# Allegro board 6089-119-RevA_41.brd (continued)
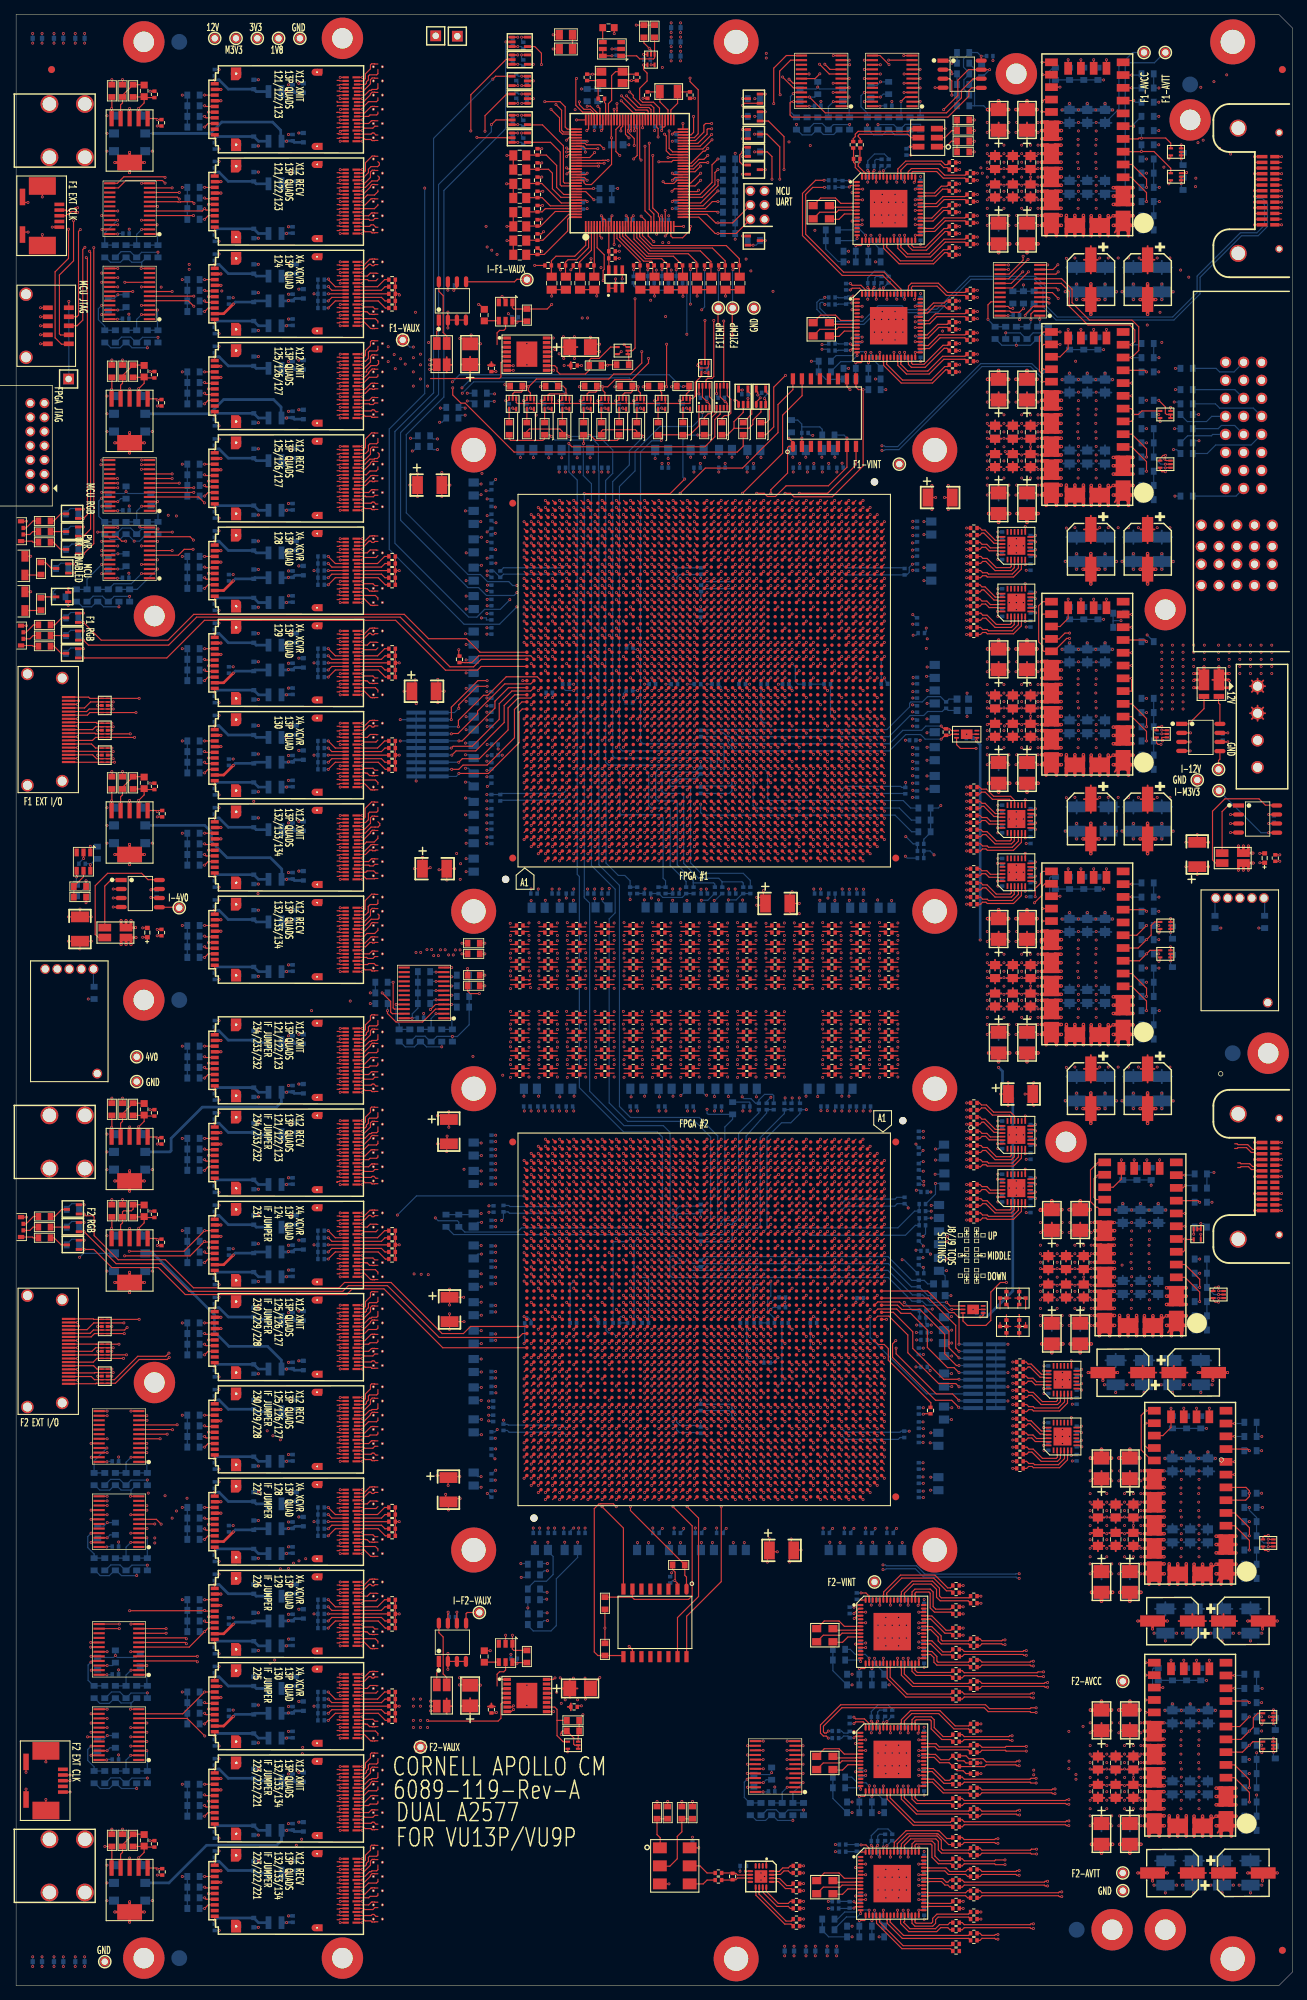
[diagram p0: board, top side]
## Routing (per net, layer and track width the routed paths; a pad name or vN(x,y) marks a point on that pad's centre or on a via; arc(x,y) is an arc through that point) (continued)
F1_TDI: length 71.2
  TOP w0.165: U75.AH13 v1(99.39,170.51) ; v1(90.95,217.75) 90.95,218.09 R124.2 R129.2 94.99,218.54 96.25,219.8 U76.1
  BOTTOM w0.165: v1(99.39,170.51) 99.8,170.92 99.8,174.83 99.64,175 88.35,175 88.02,175.33 88.02,216.12 89.6,217.7 90.9,217.7 v1(90.95,217.75)
F1_TDO: length 72.6
  TOP w0.165: U76.2 v1(96.75,221.7) ; U75.AG14 v1(98.39,171.51)
  BOTTOM w0.165: v1(98.39,171.51) 98.41,171.51 98.85,171.95 98.85,173.83 98.68,174 85.45,174 85.05,174.4 85.05,211.25 87.25,213.45 87.25,216.2 90.75,219.7 95.35,219.7 96.75,221.1 v1(96.75,221.7)
F1_TEMP_DIODE: length 105.4
  TOP w0.165: v1(135.32,174.35) 133.1,174.35 132.57,174.88 U94.3 ; PM14.1 98.95,236.35 v1(98.95,233.9) ; R133.1 v1(99.05,241.79)
  SIG1 w0.079: v1(130.6,233.15) 132.15,231.6 132.15,230.25 135.2,227.2 135.2,175.79 134.97,175.56 134.97,174.71 v1(135.32,174.35)
  SIG3 w0.079: v1(130.6,233.15) 126.75,233.15 126.5,233.4 99.45,233.4 v1(98.95,233.9)
  BOTTOM w0.165: v1(99.05,241.79) 99,241.74 PM14.1
F1_TMS: length 72
  TOP w0.165: v1(77.95,218.3) 77.71,218.54 R97.2 77,219 76.65,219.35 72.35,219.35 72,219 R83.2 ; U75.AE14 v1(95.61,171.51)
  BOTTOM w0.165: v1(95.61,171.51) 95.54,171.51 95.05,172 83.5,172 83.1,172.4 83.1,212.1 84.1,213.1 84.1,216.4 82.2,218.3 v1(77.95,218.3)
F1L_X4_R0_SEL: length 103.9
  TOP w0.165: U97.13 v1(142.25,197.56) ; U88.5 v1(127.43,267.43)
  PWR3 w0.152: v1(142.25,197.56) 146.15,201.46 146.15,224 154.5,232.35 154.5,246.75 156.05,248.3 156.05,263.7 153.3,266.45 136.55,266.45 136.05,266.95 127.91,266.95 v1(127.43,267.43)
F1L_X12_R0_SEL: length 97.2
  TOP w0.165: U96.13 v1(142.25,205.6) ; U88.4 v1(125.17,266.77)
  PWR3 w0.152: v1(142.25,205.6) 142.9,205.6 143.5,206.2 143.5,232.8 153.55,242.85 153.55,247.6 155.3,249.35 155.3,263.4 155.15,263.55 147.67,263.55 145.17,266.05 132.95,266.05 132.75,265.85 127.9,265.85 126.97,266.77 v1(125.17,266.77)
F1R_X4_R0_SEL: length 146.2
  TOP w0.165: U99.13 v1(142.25,159.56) ; U88.7 v1(127.43,268.73)
  PWR3 w0.152: v1(127.43,268.73) 138.62,268.73 140.11,267.24 141.89,267.24 142.65,268 153.61,268 157.95,263.66 157.95,243.64 157.92,243.61 157.92,243.29 157.95,243.26 157.95,230.8 150.85,223.7 150.85,190.65 148.7,188.5 148.7,165.2 143.06,159.56 v1(142.25,159.56)
F1R_X12_R0_SEL: length 138.8
  TOP w0.165: U88.6 v1(125.17,268.07) ; U98.13 v1(142.25,167.1)
  PWR3 w0.152: v1(125.17,268.07) 125.29,267.95 136.1,267.95 137.15,266.9 153.85,266.9 156.6,264.15 156.6,246.94 156.42,246.76 156.42,231.92 148.7,224.2 148.7,197.3 146,194.6 146,169.41 143.69,167.1 v1(142.25,167.1)
F2_CFG_DONE: length 263.5
  TOP w0.165: v1(102.4,264.95) 102.7,265.25 Q12.1 ; U77.AP14 v1(88.61,106.29)
  SIG2 w0.079: v1(102.4,264.95) 102.5,264.95 102.85,264.6 102.85,253.7 102.55,253.4 102.55,247.45 102.9,247.1 v1(102.9,243.3)
  PWR4 w0.152: v1(59.1,108.2) 56.55,108.2 53.2,111.55 44.3,111.55 40.2,115.65 40.2,126.87 40.23,126.9 40.23,127.22 40.2,127.25 40.2,133.87 40.23,133.9 40.23,134.22 40.2,134.25 40.2,156.87 40.23,156.9 40.23,157.22 40.2,157.25 40.2,163.87 40.23,163.9 40.23,164.22 40.2,164.25 40.2,173.87 40.23,173.9 40.23,174.22 40.2,174.25 40.2,186.87 40.23,186.9 40.23,187.22 40.2,187.25 40.2,199.87 40.23,199.9 40.23,200.22 40.2,200.25 40.2,221.87 40.23,221.9 40.23,222.22 40.2,222.25 40.2,228.87 40.23,228.9 40.23,229.22 40.2,229.25 40.2,233.9 43.25,236.95 44.2,236.95 44.95,237.7 51.05,237.7 56.12,242.78 72.9,242.78 72.93,242.81 73.27,242.81 73.3,242.78 102.38,242.78 v1(102.9,243.3)
  BOTTOM w0.165: v1(88.61,106.29) 88.1,106.8 71.25,106.8 70.65,106.2 63.25,106.2 62.51,106.94 R479.2 62.4,107.6 62.2,107.8 59.5,107.8 v1(59.1,108.2)
F2_CFG_START: length 17.1
  TOP w0.165: Q17.1 v1(102.4,246.55) ; U68.23 89.1,246.55 v1(89.9,245.75)
  SIG1 w0.079: v1(89.9,245.75) 90.2,246.05 99.6,246.05 100.1,246.55 v1(102.4,246.55)
  BOTTOM w0.165: R405.2 103.14,245.96 102.55,246.55 v1(102.4,246.55)
F2_FF1_XMIT_3V8_SEL: length 83.9
  TOP w0.165: U12.17 v1(12.83,36.38)
  SIG2 w0.079: v1(12.83,36.38) 12.83,36.93 12.26,37.5 12.26,47.94 12.14,48.06 12.05,48.06 12.05,114.8 12.8,115.55 v1(12.8,117.5)
  BOTTOM w0.165: SW4.5 v1(12.8,117.5)
F2_FF2_XMIT_3V8_SEL: length 74.5
  TOP w0.165: U12.18 v1(10.57,35.73)
  SIG2 w0.079: 8.95,102.7 v1(8.95,102.65) 8.2,101.9 8.2,38.09 v1(10.57,35.73)
  BOTTOM w0.165: SW5.5 9.5,103.2 v1(8.95,102.65)
F2_FF3_XMIT_3V8_SEL: length 24.3
  TOP w0.165: 11.7,35.08 v1(10.07,35.08)
  SIG2 w0.079: v1(10.07,35.08) 10.07,22.88 12.05,20.9 12.05,15.25 v1(12.8,14.5)
  BOTTOM w0.165: SW6.5 v1(12.8,14.5)
F2_HDR01: length 29.4
  TOP w0.165: v1(132.87,81.52) 131.89,82.5 129.6,82.5 123.55,88.55 123.55,90.45 v1(124,90.9) ; U77.L28 v1(112.39,91.51)
  SIG3 w0.079: v1(112.39,91.51) 113,90.9 v1(124,90.9)
  BOTTOM w0.165: v1(132.87,81.52) 132.85,81.52 132.85,81.55 133,81.4 J11.1 134.94,81.4
F2_HDR02: length 27
  TOP w0.165: v1(124.05,89.85) 124.05,89.05 129.7,83.4 132,83.4 v1(132.9,82.5) ; U77.L29 v1(112.39,90.51)
  SIG3 w0.079: v1(112.39,90.51) 113.05,89.85 118.21,89.85 118.24,89.88 118.54,89.88 118.57,89.85 119.21,89.85 119.24,89.88 119.54,89.88 119.57,89.85 120.21,89.85 120.24,89.88 120.54,89.88 120.57,89.85 v1(124.05,89.85)
  BOTTOM w0.165: J11.3 133,82.4 v1(132.9,82.5)
F2_HDR03: length 21.3
  TOP w0.165: U77.C26 v1(120.39,94.29)
  BOTTOM w0.165: v1(120.39,94.29) 120.39,91.36 128.35,83.4 J11.5
F2_HDR04: length 19.7
  TOP w0.165: U77.B26 121.46,94.36 123.04,94.36 125.7,91.7 125.7,89.2 130.05,84.85 132.47,84.85 v1(132.92,84.4)
  BOTTOM w0.165: J11.7 v1(132.92,84.4)
F2_HDR05: length 18.2
  TOP w0.165: v1(132.92,85.46) 130.74,85.46 126.4,89.8 126.4,92.15 123.65,94.9 U77.A25
  BOTTOM w0.165: v1(132.92,85.46) 132.95,85.46 132.95,85.45 133,85.4 J11.9
F2_HDR06: length 19.2
  TOP w0.165: v1(132.92,86.4) 132.22,87.1 131.3,87.1 128.45,89.95 128.45,92.4 126.1,94.75 124.75,94.75 124.14,95.36 121.46,95.36 U77.B25
  BOTTOM w0.165: J11.11 v1(132.92,86.4)
F2_HDR07: length 18
  TOP w0.165: v1(132.92,87.4) 132.55,87.4 130.9,89.05 130.9,91.8 127.4,95.3 124.85,95.3 124.25,95.9 U77.A24
  BOTTOM w0.165: J11.13 v1(132.92,87.4)
F2_HDR08: length 18.8
  TOP w0.165: U77.B24 121.46,96.36 124.54,96.36 125.1,95.8 127.92,95.8 131.5,92.22 131.5,90.73 131.5,90.72 131.5,90.4 131.5,90.4 131.5,89.89 v1(132.92,88.47)
  BOTTOM w0.165: v1(132.92,88.47) 132.95,88.47 132.95,88.45 133,88.4 J11.15
F2_HDR09: length 17.9
  TOP w0.165: U77.A23 128.6,96.9 132.45,93.05 132.45,89.87 v1(132.92,89.4)
  BOTTOM w0.165: J11.17 v1(132.92,89.4)
F2_HDR10: length 18.2
  TOP w0.165: U77.A22 128.5,97.9 131.55,94.85 132.2,94.85 132.92,94.13 v1(132.92,90.4)
  BOTTOM w0.165: J11.19 v1(132.92,90.4)
F2_LED_BLUE: length 73.7
  TOP w0.165: U77.BL27 64.05,92.9 63.05,91.9 60.05,91.9 52.85,99.1 46.3,99.1 45.55,98.35 25,98.35 21.05,102.3 14.4,102.3 11,105.7 11,108.33 10.83,108.5 9.85,108.5 v1(9.6,108.75) Q9.1
  BOTTOM w0.165: R682.2 8.95,109.4 v1(9.6,108.75)
F2_LED_GREEN: length 71.2
  TOP w0.165: Q10.1 v1(9.6,106.25) 14.1,101.75 20.45,101.75 24.35,97.85 46.05,97.85 46.85,98.65 52.35,98.65 59.65,91.35 70.85,91.35 71.4,91.9 U77.BL28
  BOTTOM w0.165: R683.2 8.95,106.9 v1(9.6,106.25)
F2_LED_RED: length 70.6
  TOP w0.165: U77.BL30 60.15,89.9 51.85,98.2 47.4,98.2 46.6,97.4 23.85,97.4 20.05,101.2 13.5,101.2 10.95,103.75 v1(9.6,103.75) Q11.1
  BOTTOM w0.165: R684.2 8.95,104.4 v1(9.6,103.75)
F2_TCK: length 131.7
  TOP w0.165: v1(80,217.3) R103.2 80.91,218.54 81.7,217.75 84.75,217.75 85,218 R115.2 ; U77.AF13 v1(97.39,107.29)
  BOTTOM w0.165: v1(97.39,107.29) 97.44,107.29 97.9,107.75 97.9,119.6 95.7,121.8 86.2,121.8 83.6,124.4 83.6,150.33 84.45,151.18 84.45,154.5 81.1,157.85 81.1,211.65 79.95,212.8 79.95,217.25 v1(80,217.3)
F2_TDI: length 143.9
  TOP w0.165: U77.AH13 v1(94.61,107.29) ; U79.1 98.75,221.7 98.05,221 98.05,218.65 97.9,218.5 97.04,218.5 R131.2 96.96,218.5 v1(96.1,218.5) ; v1(80.1,210.25) 92.2,210.25 v1(94.25,212.3)
  BOTTOM w0.165: v1(96.1,218.5) 94.65,218.5 94,217.85 94,212.55 v1(94.25,212.3) ; v1(80.1,210.25) 80.1,154.31 80.09,154.29 80.09,153.51 80.1,153.49 80.1,153.3 80.85,152.55 80.85,126.05 85.7,121.2 91.23,121.2 92.18,120.25 92.18,106.92 92.3,106.8 94.15,106.8 94.61,107.26 v1(94.61,107.29)
F2_TDO: length 150.6
  TOP w0.165: v1(77.92,217.32) 77.92,217.28 78.35,216.85 97.1,216.85 98.5,218.25 98.5,220.7 99.25,221.45 U79.2 ; U77.AG14 v1(95.61,106.29)
  BOTTOM w0.165: v1(77.92,217.32) 77.92,213.32 79.1,212.15 79.1,156.6 79.4,156.3 79.4,126.55 85.65,120.3 90.4,120.3 91.1,119.6 91.1,106.1 91.35,105.85 95.15,105.85 95.59,106.29 v1(95.61,106.29)
F2_TEMP_DIODE: length 220.2
  TOP w0.165: v1(100.95,232.5) 100.95,236.35 PM15.1 ; R136.1 v1(101.05,241.79) ; v1(139.6,99.1) 138.75,99.1 137.4,97.75 137.4,93.75 136.7,93.05 134.1,93.05 133.47,93.67 U95.3
  PWR4 w0.152: v1(155.9,101.55) 155.9,109.15 156.65,109.9 156.65,128.8 156.15,129.3 156.15,160.45 154.6,162 154.6,171.25 153.38,172.47 153.38,188.57 152.3,189.65 152.3,195.21 152.31,195.21 152.31,195.55 152.3,195.55 152.3,199.4 152.27,199.44 152.27,199.75 152.3,199.78 152.3,209.7 151.15,210.85 151.15,226 150.25,226.9 150.25,228 v1(149.35,228.9)
  SIG3 w0.079: v1(139.6,99.1) 153.45,99.1 v1(155.9,101.55) ; v1(100.95,232.5) 113.2,232.5 114.85,230.85 138.15,230.85 140.1,228.9 v1(149.35,228.9)
  BOTTOM w0.165: PM15.1 101,241.74 v1(101.05,241.79)
F2_TEST_CONN_5: length 83.5
  TOP w0.165: v1(15.65,92.75) 15.3,92.4 U6.7 U6.4 10.9,92.4 10.44,91.94 J6.15 ; U77.BA29 v1(81.61,90.51)
  PWR3 w0.152: v1(15.65,92.75) 15.65,93.2 17.05,94.6 18.5,94.6 21.69,91.41 27.44,91.41 28,90.85 39.95,90.85 45.55,96.45 50.1,96.45 50.35,96.2 51.95,96.2 55.15,93 80.95,93 81.1,92.85 81.1,91.02 v1(81.61,90.51)
F2_TEST_CONN_6: length 83.4
  TOP w0.165: J6.16 10,92.45 10.95,93.4 U6.2 U6.9 v1(15.2,93.4) ; U77.BA28 v1(81.61,91.51)
  PWR3 w0.152: v1(15.2,93.4) 15.2,93.7 16.6,95.1 18.85,95.1 21.3,92.65 27.25,92.65 28,91.9 38.8,91.9 43.8,96.9 50.54,96.9 50.83,96.61 52.54,96.61 54.9,94.25 63.6,94.25 64.4,93.45 81.9,93.45 82.1,93.25 82.1,92 v1(81.61,91.51)
F2_TMS: length 138.7
  TOP w0.165: v1(75.45,218.3) 75.21,218.54 R93.2 74.5,218 74.25,217.75 69.7,217.75 69.5,217.95 R80.2 ; U77.AE14 v1(98.39,106.29)
  BOTTOM w0.165: v1(98.39,106.29) 98.9,106.8 98.9,119.75 96.3,122.35 86.6,122.35 85.05,123.9 85.05,155.05 82.15,157.95 82.15,213.44 82.09,213.51 82.09,217.11 81.4,217.8 75.95,217.8 v1(75.45,218.3)
F2L_X4_R0_SEL: length 91.3
  TOP w0.165: U104.13 v1(148.75,80.06) ; U83.5 v1(110.93,29.93)
  SIG3 w0.079: v1(148.42,31.65) 144.07,27.3 113.56,27.3 v1(110.93,29.93)
  SIG4 w0.079: v1(148.42,31.65) 148.45,31.65 148.45,31.75 149.35,32.65 149.35,77.85 148.75,78.45 v1(148.75,80.06)
F2L_X12_R0_SEL: length 104.8
  TOP w0.165: U83.4 v1(108.67,29.27) ; U103.13 v1(148.75,88.06)
  SIG3 w0.079: v1(108.67,29.27) 109.3,28.64 109.3,27.85 110.9,26.25 144.05,26.25 v1(148.4,30.6)
  SIG4 w0.079: v1(148.4,30.6) 149.65,31.85 149.65,79.75 150.7,80.8 150.7,87 149.64,88.06 v1(148.75,88.06)
F2R_X4_R0_SEL: length 127.6
  TOP w0.165: U101.13 v1(142.25,115.06) ; U83.7 v1(110.93,31.23)
  SIG2 w0.079: v1(142.25,115.06) 143.09,115.06 145.3,112.85 145.3,76.8 150.4,71.7 v1(150.4,36.55)
  SIG3 w0.079: v1(110.93,31.23) 113.28,31.23 115.39,29.11 140.46,29.11 147.9,36.55 v1(150.4,36.55)
F2R_X12_R0_SEL: length 135.3
  TOP w0.165: U100.13 v1(142.25,122.56) ; U83.6 v1(108.67,30.57)
  SIG2 w0.079: v1(148.4,35.85) 148.4,71 143.05,76.35 143.05,112.25 141.5,113.8 141.5,121.81 v1(142.25,122.56)
  SIG3 w0.079: v1(108.67,30.57) 111.67,30.57 113.65,28.6 141.15,28.6 143.08,30.53 143.08,30.54 143.3,30.76 143.31,30.76 v1(148.4,35.85)
FP_JTAG_TCK: length 96.5
  TOP w0.165: U67.2 85.5,224.15 85.8,224.45 86.65,224.45 86.86,224.66 R117.1 87.6,225.4 v1(87.7,225.3) 87.7,224.75 88,224.45 U69.2
  SIG3 w0.079: J1.6 3,216 5.05,216 7.4,218.35 19.85,218.35 20.35,218.85 45.25,218.85 46.3,219.9 51.7,219.9 56.1,224.3 62,224.3 v1(62.85,225.15)
  BOTTOM w0.165: v1(62.85,225.15) 64.25,226.55 86.45,226.55 v1(87.7,225.3)
FP_JTAG_TDI: length 99.7
  TOP w0.165: v1(94.05,225.32) 94.05,225.35 94.1,225.4 R128.2 94.86,224.66 94.5,224.3 U74.2
  SIG4 w0.079: J1.10 3.1,217.9 27.75,217.9 28.95,219.1 50.2,219.1 55.3,224.2 59.7,224.2 v1(61.5,226)
  BOTTOM w0.165: v1(94.05,225.32) 93.73,225.32 92.05,227 62.5,227 v1(61.5,226)
FP_JTAG_TDO: length 110.3
  TOP w0.165: v1(61.55,225.15) 61.55,224.15 62.7,223 63.3,223 70.2,216.1 101.65,216.1 102.5,216.95 R137.2
  SIG3 w0.079: J1.8 2.9,217.9 5.25,217.9 6.98,219.63 26.82,219.63 27.05,219.4 44.4,219.4 45.55,220.55 51.5,220.55 55.8,224.85 61.25,224.85 v1(61.55,225.15)
FP_JTAG_TMS: length 87.3
  TOP w0.165: v1(77.5,224.3) 75.17,224.3 75,224.14 U59.2 ; v1(77.5,224.3) 77.5,225 77.1,225.4 R95.1 ; v1(77.5,224.3) U60.2
  SIG3 w0.079: v1(62.9,224.4) 61.95,223.45 56.05,223.45 51.8,219.2 47.45,219.2 46.6,218.35 29.7,218.35 28.3,216.95 7.95,216.95 5,214 3,214 J1.4
  BOTTOM w0.165: v1(77.5,224.3) 75.8,226 64.5,226 v1(62.9,224.4)
FP_MCU_TCK: length 88.6
  TOP w0.165: U68.100 77.95,260.4 v1(77.6,260.05) ; J4.6 8.6,233.9 9.4,234.7 9.4,244.65 v1(9.7,244.95)
  SIG4 w0.079: v1(9.7,244.95) 9.7,245 10.8,246.1 17.05,246.1 22.63,251.68 22.63,251.9 22.85,252.12 23.07,252.12 29.25,258.3 47,258.3 48,259.3 69.2,259.3 69.98,260.08 77.57,260.08 v1(77.6,260.05)
FP_MCU_TDI: length 106.7
  TOP w0.165: U68.98 77.15,261.2 76.9,261.45 76.9,264.26 v1(76.1,265.06) ; v1(7.39,247.5) 7.39,243.39 5.5,241.5 5.5,232.2 6.4,231.3 7.38,231.3 J4.10
  SIG3 w0.079: v1(76.1,265.06) 76.1,264.95 72.31,264.95 65.66,271.6 31.1,271.6 29.31,269.81 29.28,269.81 29.12,269.66 28.51,269.66 20.55,261.7 20.55,260.65 7.4,247.5 v1(7.39,247.5)
FP_MCU_TDO: length 105.5
  TOP w0.165: U68.97 77.7,261.6 77.4,261.9 77.4,264.75 76.67,265.48 v1(74.53,265.48) ; v1(8.09,248.71) 8.1,248.71 8.1,243.05 6.1,241.05 6.1,232.77 6.27,232.6 7.41,232.6 J4.8
  SIG4 w0.079: v1(74.53,265.48) 72.53,265.48 71.95,266.05 67.74,266.05 61.69,272.1 31.19,272.1 28.75,269.66 28.41,269.66 9.04,250.29 9.04,249.73 8.83,249.51 8.26,249.51 8.09,249.34 v1(8.09,248.71)
FP_MCU_TMS: length 98.8
  TOP w0.165: J4.4 8.57,235.17 8.8,235.4 8.8,247.2 v1(9.05,247.45) ; v1(75.4,264.4) 76.61,263.19 76.61,261.33 77.03,260.91 78.11,260.91 78.15,260.86 78.94,260.86 U68.99
  SIG4 w0.079: v1(9.05,247.45) 14.8,253.2 20.95,253.2 21.44,253.69 21.99,253.69 39.55,271.25 60.75,271.25 67.6,264.4 v1(75.4,264.4)
FPGA_CFG_FROM_FLASH: length 29.9
  TOP w0.165: v1(82.85,258.85) 82.3,259.4 80.4,259.4 80.2,259.6 U68.102 ; Q15.1 102.55,259.05 102.4,258.9 102.4,258.43 v1(102.43,258.4) 102,257.97 102,257 102.45,256.55 Q16.1
  SIG3 w0.079: v1(102.43,258.4) 102.1,258.4 101.9,258.6 99.35,258.6 98.15,257.4 93,257.4 92.1,258.3 83.4,258.3 v1(82.85,258.85)
  BOTTOM w0.165: R404.1 v1(102.43,258.4)
HIVF1_C2C_OK: length 13.3
  TOP w0.165: U54.4 72.13,262.2 74.2,262.2 77.15,259.25 77.15,254.17 77.32,254 U68.116
HIVF1_TO_MCU: length 24.2
  TOP w0.165: v1(74.05,270.7) 74.05,272.3 73.11,273.24 U50.4 ; v1(86.5,266.85) 87,266.35 87,266.05 88.05,265 89.5,265 89.9,264.6 U68.72
  SIG3 w0.079: v1(86.5,266.85) 82.65,270.7 v1(74.05,270.7)
HIVF2_C2C_OK: length 12.2
  TOP w0.165: U55.4 72.1,259.75 75.33,259.75 76.7,258.38 76.7,253.77 76.87,253.6 U68.117
HIVF2_TO_MCU: length 21.5
  TOP w0.165: v1(86.05,266.3) 87.7,264.65 89.2,264.65 89.5,264.35 U68.73 ; U51.4 v1(72.9,270.74)
  SIG3 w0.079: v1(86.05,266.3) 86.05,266.35 82.65,269.75 73.89,269.75 v1(72.9,270.74)
HIVMCU_TO_F1: length 20
  TOP w0.165: U52.2 v1(72.9,268.4) ; v1(85.35,266.3) 87.35,264.3 88.93,264.3 89.1,264.13 U68.74
  SIG3 w0.079: v1(85.35,266.3) 83.95,267.7 73.6,267.7 v1(72.9,268.4)
HIVMCU_TO_F2: length 18.3
  TOP w0.165: U53.2 v1(72.9,265.9) ; U68.75 88.7,263.75 88.55,263.9 87,263.9 v1(85.3,265.6)
  SIG3 w0.079: v1(85.3,265.6) 85,265.9 v1(72.9,265.9)
I2C_SCL_CLOCKS: length 56.5
  TOP w0.165: U84.22 v1(111.83,266.12) 114.06,263.9 131.15,263.9 133.25,266 133.25,267.05 134.91,268.71 U93.6 ; v1(97.5,257.9) 96.95,257.35 96.25,257.35 95.3,256.4 U68.51
  SIG3 w0.079: v1(97.5,257.9) 98,257.9 99.4,259.3 v1(111.95,259.3)
  SIG4 w0.079: v1(111.83,266.12) 112.25,265.71 112.25,259.6 v1(111.95,259.3)
  BOTTOM w0.165: R373.1 112.59,266.12 v1(111.83,266.12)
I2C_SCL_F1_FF1_RECV: length 10.9
  TOP w0.165: v1(26.57,248.9) 27.07,249.4 U25A.8 ; U14.7 v1(19.93,250.72)
  SIG3 w0.079: v1(26.57,248.9) 24.75,250.72 v1(19.93,250.72)
  BOTTOM w0.165: R545.1 v1(26.57,248.9)
I2C_SCL_F1_FF1_XMIT: length 21.9
  TOP w0.165: v1(26.57,261.9) 27.07,262.4 U24A.8 ; U14.5 v1(25,249.43)
  SIG2 w0.079: v1(26.57,261.9) 24.7,260.03 24.7,249.72 v1(25,249.43)
  BOTTOM w0.165: R541.1 v1(26.57,261.9)
I2C_SCL_F1_FF2_RECV: length 57.5
  TOP w0.165: U28A.8 27.07,210.4 v1(26.57,209.9) ; v1(21,254) 20.64,254.36 15.46,254.36 14.43,253.32 13.2,253.32
  SIG2 w0.079: v1(26.57,209.9) 26.57,210.58 21,216.15 21,253.14 21.43,253.57 v1(21,254)
  BOTTOM w0.165: R557.1 v1(26.57,209.9)
I2C_SCL_F1_FF2_XMIT: length 37.9
  TOP w0.165: U27A.8 27.07,223.4 v1(26.57,222.9) ; 18.8,253.32 v1(22,253.32)
  SIG2 w0.079: v1(26.57,222.9) 26.57,223.08 24.05,225.6 24.05,235.35 23,236.4 23,249.2 22,250.2 v1(22,253.32)
  BOTTOM w0.165: R553.1 v1(26.57,222.9)
I2C_SCL_F1_FF3_RECV: length 82.2
  TOP w0.165: 13.2,214.32 v1(11.95,214.32) ; U33A.8 27.07,145.4 v1(26.57,144.9)
  SIG2 w0.079: v1(26.57,144.9) 24.4,144.9 9.7,159.6 9.7,186.4 10.25,186.95 10.25,212.62 v1(11.95,214.32)
  BOTTOM w0.165: R577.1 v1(26.57,144.9)
I2C_SCL_F1_FF3_XMIT: length 65.8
  TOP w0.165: 18.8,214.32 v1(17.67,214.32) ; v1(26.57,157.9) 27.07,158.4 U32A.8
  SIG2 w0.079: v1(17.67,214.32) 16.29,212.95 16.29,203.64 15.5,202.85 15.5,172.25 18.05,169.7 18.05,165.7 25.85,157.9 v1(26.57,157.9)
  BOTTOM w0.165: R573.1 v1(26.57,157.9)
I2C_SCL_F1_FF4_XCVR: length 24
  TOP w0.165: U14.9 22.73,252.03 v1(23,251.75) ; v1(26.57,235.9) 27.07,236.4 U26A.8
  SIG2 w0.079: v1(23,251.75) 23,250.8 25.8,248 25.8,237 26.57,236.23 v1(26.57,235.9)
  BOTTOM w0.165: R549.1 v1(26.57,235.9)
I2C_SCL_F1_FF5_XCVR: length 22.7
  TOP w0.165: U17.5 v1(25.05,210.43) ; v1(26.57,196.9) 27.07,197.4 U29A.8
  SIG2 w0.079: v1(26.57,196.9) 25.85,197.62 25.85,209.62 v1(25.05,210.43)
  BOTTOM w0.165: R561.1 v1(26.57,196.9)
I2C_SCL_F1_FF6_XCVR: length 35.8
  TOP w0.165: U17.7 v1(23,211.72) ; v1(26.57,183.9) 27.07,184.4 U30A.8
  SIG2 w0.079: v1(26.57,183.9) 26.57,184.83 24.15,187.25 24.15,210.57 v1(23,211.72)
  BOTTOM w0.165: R565.1 v1(26.57,183.9)
I2C_SCL_F1_FF7_XCVR: length 50.6
  TOP w0.165: U17.9 v1(22,213.03) ; U31A.8 27.07,171.4 v1(26.57,170.9)
  SIG2 w0.079: v1(26.57,170.9) 26.35,170.9 22.15,175.1 22.15,200.5 20.95,201.7 20.95,211.97 v1(22,213.03)
  BOTTOM w0.165: R569.1 v1(26.57,170.9)
I2C_SCL_F1_GENERIC: length 78
  TOP w0.165: U44.9 v1(59.2,141.53) ; U75.V36 v1(88.61,194.29)
  SIG2 w0.079: v1(88.61,194.29) 88.61,194.16 88.2,193.75 71.45,193.75 70.6,192.9 70.6,172.75 66.77,168.92 66.77,168.86 66.57,168.66 66.51,168.66 59.2,161.35 59.2,146 60,145.2 60,142.33 v1(59.2,141.53)
  BOTTOM w0.165: R489.1 58.49,141.53 v1(59.2,141.53)
I2C_SCL_F1_GTY_PWR: length 38.6
  TOP w0.165: U102.16 139.93,240.53 v1(142.65,243.25) ; U105.10 v1(157.25,267.43)
  SIG2 w0.079: v1(142.65,243.25) 143.8,243.25 150.11,249.56 150.11,249.59 150.31,249.79 150.34,249.79 151.91,251.36 151.91,251.79 157.05,256.94 157.05,267.22 v1(157.25,267.43)
  BOTTOM w0.165: v1(157.25,267.43) 157.28,267.4 R204.1
I2C_SCL_F1_OPTICS: length 134.6
  TOP w0.165: U17.22 v1(14.33,209.12) ; U68.55 92.2,258 91.65,258.55 91.65,260.65 v1(91.4,260.9) ; U14.22 v1(14.33,248.12)
  SIG2 w0.079: v1(14.33,248.12) 13.9,247.69 13.9,241.65 14.55,241 15.25,241 15.69,240.56 15.69,239.87 15.5,239.68 15.5,213.8 14.8,213.1 14.8,209.59 v1(14.33,209.12)
  SIG3 w0.079: v1(14.33,248.12) 20.64,254.43 21.15,254.43 26.82,260.1 27.25,260.1 28.6,261.45 41.15,261.45 43.61,258.99 46.99,258.99 49.35,261.35 52.5,261.35 52.9,261.75 77.31,261.75 arc(77.35,261.74) 77.38,261.72 78.13,260.97 arc(78.24,260.9) 78.37,260.87 91.37,260.87 v1(91.4,260.9)
  BOTTOM w0.165: R641.1 14.74,209.54 v1(14.33,209.12)
I2C_SCL_F1_SYSMON: length 82.5
  TOP w0.165: 60.3,142.82 v1(59.2,142.82) ; U75.BB16 v1(113.39,173.51)
  SIG1 w0.079: v1(59.2,142.82) 62.58,142.82 64.6,144.85 64.6,147.8 72.15,155.35 72.15,173.97 72.23,174.05 112.75,174.05 113.29,173.51 v1(113.39,173.51)
  BOTTOM w0.165: R488.1 58.44,142.82 v1(59.2,142.82)
I2C_SCL_F2_FF1_RECV: length 45.7
  TOP w0.165: U35A.8 27.07,115.4 v1(26.57,114.9) ; 17.3,77.72 v1(21.3,77.72)
  SIG1 w0.079: v1(21.3,77.72) 21.3,80.15 24,82.85 24,92.7 24.95,93.65 24.95,113.28 v1(26.57,114.9)
  BOTTOM w0.165: R585.1 v1(26.57,114.9)
I2C_SCL_F2_FF1_XMIT: length 58.8
  TOP w0.165: v1(26.57,127.9) 27.07,128.4 U34A.8 ; 17.3,76.42 v1(18.43,76.42)
  SIG1 w0.079: v1(18.43,76.42) 18.95,76.94 18.95,81.45 21.62,84.12 21.62,85.88 21,86.5 21,122.33 v1(26.57,127.9)
  BOTTOM w0.165: R581.1 v1(26.57,127.9)
I2C_SCL_F2_FF2_RECV: length 19
  TOP w0.165: U9.14 v1(12.83,80.33) ; v1(26.57,75.9) 27.07,76.4 U38A.8
  SIG4 w0.079: v1(12.83,80.33) 15.53,80.33 19.95,75.9 v1(26.57,75.9)
  BOTTOM w0.165: R597.1 v1(26.57,75.9)
I2C_SCL_F2_FF2_XMIT: length 15.8
  TOP w0.165: U9.11 v1(18.43,80.33) ; v1(26.57,88.9) 27.07,89.4 U37A.8
  SIG3 w0.079: v1(18.43,80.33) 18.46,80.35 19.15,80.35 26.55,87.75 26.55,88.88 v1(26.57,88.9)
  BOTTOM w0.165: R593.1 v1(26.57,88.9)
I2C_SCL_F2_FF3_RECV: length 50.7
  TOP w0.165: U43A.8 27.07,11.4 v1(26.57,10.9) ; U11.14 v1(14.55,50.33)
  SIG2 w0.079: v1(14.55,50.33) 14.6,50.27 14.6,46.3 14.1,45.8 14.1,22.25 14.62,21.73 15.22,21.73 26.05,10.9 v1(26.57,10.9)
  BOTTOM w0.165: R617.1 v1(26.57,10.9)
I2C_SCL_F2_FF3_XMIT: length 37.4
  TOP w0.165: U11.11 v1(21.15,50.33) ; U42A.8 27.07,24.4 v1(26.57,23.9)
  SIG2 w0.079: v1(26.57,23.9) 23.5,23.9 20.25,27.15 20.25,49.42 v1(21.15,50.33)
  BOTTOM w0.165: R613.1 v1(26.57,23.9)
I2C_SCL_F2_FF4_XCVR: length 32.2
  TOP w0.165: U36A.8 27.07,102.4 v1(26.57,101.9) ; U9.9 22.68,79.03 v1(22.7,79.05)
  SIG1 w0.079: v1(22.7,79.05) 22.7,80.25 25.1,82.65 25.1,92.55 26.57,94.02 v1(26.57,101.9)
  BOTTOM w0.165: R589.1 v1(26.57,101.9)
I2C_SCL_F2_FF5_XCVR: length 27.5
  TOP w0.165: U11.5 v1(25.55,46.42) ; U39A.8 27.07,63.4 v1(26.57,62.9)
  SIG2 w0.079: v1(26.57,62.9) 26.57,55.27 25.75,54.45 25.75,47.3 25.55,47.1 v1(25.55,46.42)
  BOTTOM w0.165: R601.1 v1(26.57,62.9)
I2C_SCL_F2_FF6_XCVR: length 12.5
  TOP w0.165: U11.7 24.4,47.73 v1(26.57,49.9) 27.07,50.4 U40A.8
  BOTTOM w0.165: R605.1 v1(26.57,49.9)
I2C_SCL_F2_FF7_XCVR: length 22.5
  TOP w0.165: v1(24,48.9) 23.88,49.02 U11.9 ; U41A.8 27.07,37.4 v1(26.57,36.9)
  SIG2 w0.079: v1(26.57,36.9) 23.95,39.52 23.95,41.36 23.6,41.71 23.6,48.5 v1(24,48.9)
  BOTTOM w0.165: R609.1 v1(26.57,36.9)
I2C_SCL_F2_GENERIC: length 120.6
  TOP w0.165: U44.5 v1(59.2,138.93) ; U77.V36 v1(105.39,83.51)
  PWR3 w0.152: v1(105.39,83.51) 105.69,83.51 106.15,83.05 114.7,83.05 114.95,83.3 114.95,100.5 114.65,100.8 64.65,100.8 60,105.45 60,131.35 59.65,131.7 59.65,132.11 59.62,132.14 59.62,132.46 59.65,132.49 59.65,138.47 v1(59.2,138.93)
  BOTTOM w0.165: R491.1 58.89,138.93 v1(59.2,138.93)
I2C_SCL_F2_GTY_PWR: length 229.5
  TOP w0.165: U118.10 v1(171.75,41.92) ; v1(142.7,241.5) 140.43,239.22 U102.18
  SIG4 w0.079: v1(142.7,241.5) 145.55,244.35 149.55,244.35 154.7,239.2 154.7,238.48 158,235.18 158,234.59 158.03,234.52 161.13,231.42 161.13,231.4 161.35,231.18 161.37,231.18 161.42,231.13 161.42,229.57 161.44,229.54 161.44,229.26 161.42,229.23 161.42,224.08 161.9,223.6 161.9,217 165.3,213.6 165.3,196.5 166.95,194.85 166.95,181.15 167.6,180.5 167.6,92.95 174.5,86.05 174.5,44.67 v1(171.75,41.92)
  BOTTOM w0.165: v1(171.75,41.92) 171.78,41.9 R161.1
I2C_SCL_F2_OPTICS: length 296
  TOP w0.165: U9.22 v1(12.83,75.12) ; U11.22 v1(12.83,45.12) ; v1(90.6,257) 92.4,257 92.6,257.2 U68.53
  SIG1 w0.079: v1(36.2,77.5) 36.2,79.95 35.45,80.7 35.45,240.2 39.8,244.55 v1(67.05,244.55)
  SIG2 w0.079: v1(12.83,75.12) 13.25,74.71 13.25,46.4 12.83,45.98 v1(12.83,45.12)
  SIG3 w0.079: v1(67.05,244.55) 67.24,244.74 90.28,244.74 v1(91.15,245.61)
  SIG4 w0.079: v1(36.2,77.5) 29.8,77.5 26.65,74.35 18.25,74.35 17.48,75.12 v1(12.83,75.12) ; v1(91.15,245.61) 92.35,246.81 92.35,250 91.6,250.75 91.6,256 v1(90.6,257)
  BOTTOM w0.165: v1(12.83,45.12) 13.59,45.12 R655.1
I2C_SCL_F2_SYSMON: length 60.1
  TOP w0.165: U44.7 v1(59.2,140.22) ; U77.BB16 v1(80.61,104.29)
  PWR3 w0.152: v1(59.2,140.22) 60.55,138.87 60.55,133.95 61.4,133.1 61.4,105.3 64.2,102.5 66.8,102.5 67.15,102.85 80,102.85 80.15,103 80.15,103.83 v1(80.61,104.29)
  BOTTOM w0.165: v1(59.2,140.22) 58.69,140.22 R490.1
I2C_SCL_FPGAS: length 160.2
  TOP w0.165: v1(80.45,261.4) 80.7,261.65 U68.95 ; v1(53.15,141.4) 53.15,137.79 53.32,137.62 U44.22
  PWR4 w0.152: v1(53.15,141.4) 51.45,141.4 49.35,143.5 49.35,231.1 50.5,232.25 51.6,232.25 53.45,234.1 59.82,234.1 60.71,233.21 61.02,233.21 61.31,233.5 79.1,233.5 79.25,233.65 79.25,233.7 v1(80.55,235)
  SIG4 w0.079: v1(80.55,235) 80.55,249.05 80.85,249.35 80.85,261 v1(80.45,261.4)
  BOTTOM w0.165: v1(53.15,141.4) R495.1
I2C_SCL_PWR: length 67.3
  TOP w0.165: U68.49 95.7,255.6 v1(96.5,256.4) ; v1(140.5,236.35) 140.1,236.35 139.82,236.62 U102.22
  SIG3 w0.079: v1(136.2,255.4) 135.75,254.95 128.35,254.95 127.95,255.35 127.1,255.35 126.65,254.9 119.4,254.9 118.95,255.35 102.79,255.35 102.54,255.59 99.99,255.59 99.75,255.35 98.55,255.35 97.5,256.4 v1(96.5,256.4)
  SIG4 w0.079: v1(140.5,236.35) 136.2,240.65 v1(136.2,255.4)
  BOTTOM w0.165: R285.1 v1(140.5,236.35)
